# Altium PCB Copy of DIOT_temperature_logger.PcbDoc (part 5 of 7)
Units mm, origin at the board's own origin, x right, y up, seen from the top; angles counter-clockwise.
Board outline 301.1 x 109.1 mm, 4 copper layers (TOP, MID1, MID2, BOT), stack 1.564 mm thick; 651 components, 619 nets, 2526 pads, 1345 vias.
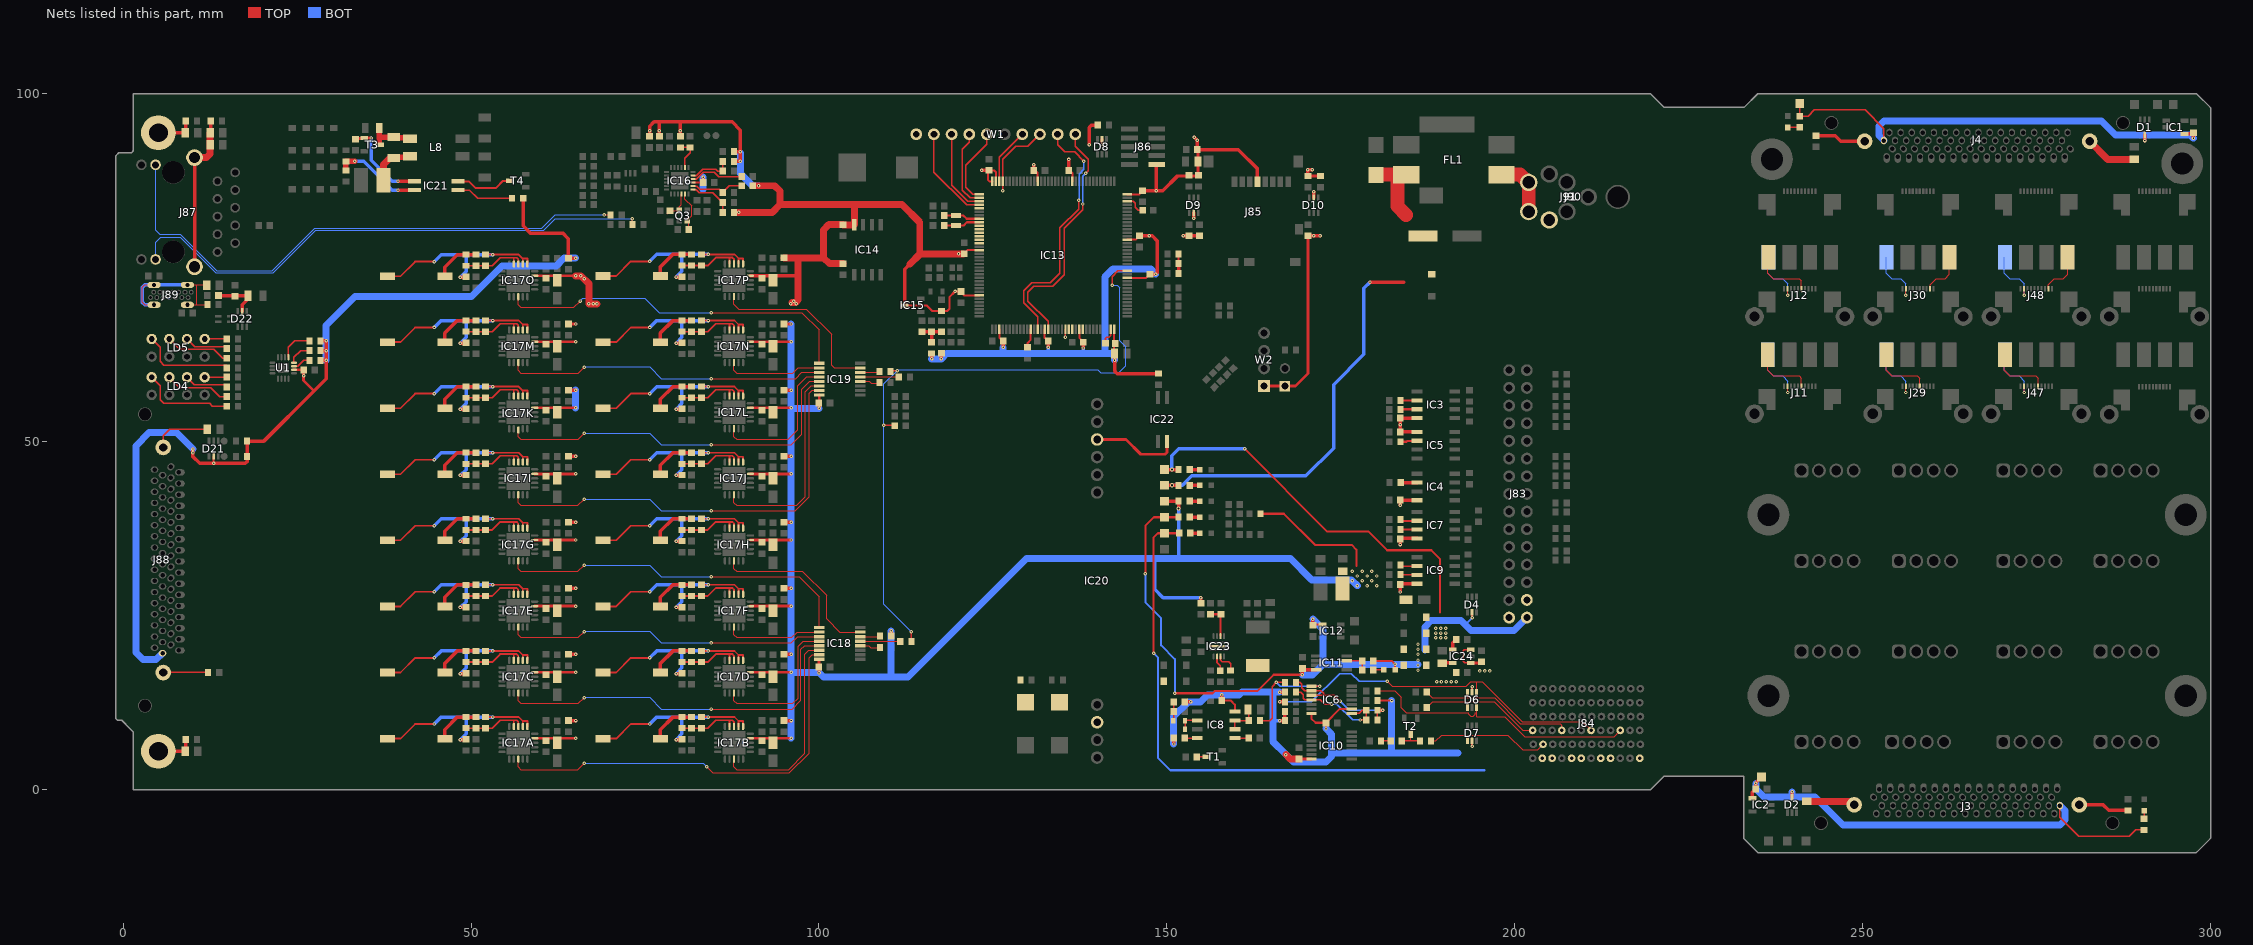
[diagram p7: the nets of this part, all layers, seen from the top]

## Via types
v1: diameter 0.5, hole 0.2, TOP to BOT, tented both sides, 1333 vias
v2: diameter 0.66, hole 0.33, TOP to BOT, tented both sides, 6 vias
v3: diameter 0.6, hole 0.3, TOP to BOT, tented both sides, 6 vias

## Nets (pads, with @x,y where several pads share a name; then routed paths per layer and width w, separated by ;. In a path a pad name is that pad's centre, name@x,y a point inside that pad or via, vN(x,y) a via of type N, cw(c..) or ccw(c..) an arc to the next point about the centre after c; other vN are vias at no path point) (continued)
MAX_CH_A3: IC13.86 R124.1 R125.1 R136.1 | length 94.1
  TOP w0.2: v1(109.35,52.35) 110.85,52.35 R136.1@110.9,52.3 ; R124.1@110.3,60.1 110.425,60.225 v1(111.275,60.225) ; v1(113.3,22.7) R125.1@113.3,21.3 R125.1@113.4,21.4 ; v1(142.175,72.475) 142.175,73.75 142.975,74.55 IC13.86@144.325,74.55
  BOT w0.152: v1(113.3,22.7) 109.35,26.65 v1(109.35,52.35) 109.35,58.3 v1(111.275,60.225) 111.4,60.35 140.1,60.35 140.525,59.925 143.125,59.925 144.125,60.925 144.125,63.661 143.25,64.536 143.25,72.15 142.925,72.475 v1(142.175,72.475)
MAX_CS00: IC17A.13 IC18.15 | length 60.5
  TOP w0.152: v1(83.875,3.275) 84.725,2.425 95.775,2.425 98.6,5.25 98.6,18.95 99.025,19.375 IC18.15@100.025,19.375
  TOP w0.171: IC17A.13@56.8,4.375 56.8,3.25 57.175,2.875 65.325,2.875 v1(66.25,3.8)
  BOT w0.171: v1(66.25,3.8) 83.35,3.8 v1(83.875,3.275)
MAX_CS01: IC17B.13 IC18.14 | length 29
  TOP w0.152: IC17B.13@87.8,4.375 87.8,3.25 88.175,2.875 95.65,2.875 97.975,5.2 97.975,19.475 98.525,20.025 IC18.14@100.025,20.025
MAX_CS02: IC17C.13 IC18.13 | length 53.6
  TOP w0.152: v1(84.538,11.575) 96.175,11.575 97.425,12.825 97.425,20.15 97.95,20.675 IC18.13@100.025,20.675
  TOP w0.171: IC17C.13@56.8,13.875 56.8,12.75 57.175,12.375 65.4,12.375 v1(66.25,13.225)
  BOT w0.171: v1(66.25,13.225) 66.275,13.25 75.675,13.25 77.35,11.575 v1(84.538,11.575)
MAX_CS03: IC17D.13 IC18.12 | length 21.5
  TOP w0.152: IC17D.13@87.8,13.875 87.8,12.75 88.175,12.375 96.25,12.375 97.025,13.15 97.025,20.575 97.775,21.325 IC18.12@99.975,21.325
MAX_CS04: IC17E.13 IC18.11 | length 45.9
  TOP w0.152: v1(84.538,21.075) 96.05,21.075 96.95,21.975 IC18.11@100.025,21.975
  TOP w0.171: IC17E.13@56.8,23.375 56.8,22.25 57.175,21.875 65.425,21.875 v1(66.25,22.7)
  BOT w0.171: v1(66.25,22.7) 66.3,22.75 75.675,22.75 77.35,21.075 v1(84.538,21.075)
MAX_CS05: IC17F.13 IC18.10 | length 13.8
  TOP w0.152: IC17F.13@87.8,23.375 87.8,22.25 88.175,21.875 96.125,21.875 96.875,22.625 IC18.10@100.025,22.625
MAX_CS06: IC17G.13 IC18.9 | length 51.2
  TOP w0.171: IC17G.13@56.8,32.875 56.8,31.75 57.175,31.375 65.375,31.375 v1(66.25,32.25) ; v1(84.538,30.575) 97.175,30.575 100.025,27.725 IC18.9@100.025,23.275
  BOT w0.171: v1(66.25,32.25) 75.675,32.25 77.35,30.575 v1(84.538,30.575)
MAX_CS07: IC17H.13 IC18.7 | length 25
  TOP w0.171: IC17H.13@87.8,32.875 87.8,31.75 88.175,31.375 97.625,31.375 101.1,27.9 101.1,24.525 103,22.625 IC18.7@105.925,22.625
MAX_CS08: IC17I.13 IC19.15 | length 61.7
  TOP w0.171: IC17I.13@56.8,42.375 56.8,41.25 57.175,40.875 65.375,40.875 v1(66.25,41.75) ; v1(84.538,40.075) 96.6,40.075 98.6,42.075 98.6,56.95 99.025,57.375 IC19.15@100.05,57.375 IC19.15@100.3,57.375
  BOT w0.171: v1(66.25,41.75) 75.675,41.75 77.35,40.075 v1(84.538,40.075)
MAX_CS09: IC17J.13 IC19.14 | length 29.7
  TOP w0.171: IC17J.13@87.8,42.375 87.8,41.25 88.175,40.875 96.8,40.875 98.05,42.125 98.05,57.2 98.875,58.025 IC19.14@100.05,58.025 IC19.14@100.3,58.025
MAX_CS10: IC17K.13 IC19.13 | length 53.4
  TOP w0.152: 97.575,51.1 97.575,57.575 98.675,58.675 IC19.13@100.05,58.675 IC19.13@100.3,58.675
  TOP w0.171: IC17K.13@56.8,51.875 56.8,50.75 57.175,50.375 65.4,50.375 v1(66.25,51.225) ; v1(84.538,49.575) 96.05,49.575 97.575,51.1
  BOT w0.171: v1(66.25,51.225) 66.275,51.25 75.675,51.25 77.35,49.575 v1(84.538,49.575)
MAX_CS11: IC17L.13 IC19.12 | length 21.2
  TOP w0.152: 96.95,51.75 96.95,58.05 98.225,59.325 IC19.12@100.05,59.325 IC19.12@100.3,59.325
  TOP w0.171: IC17L.13@87.8,51.875 87.8,50.75 88.175,50.375 95.575,50.375 96.95,51.75
MAX_CS12: IC17M.13 IC19.11 | length 46.2
  TOP w0.171: IC17M.13@56.8,61.375 56.8,60.25 57.175,59.875 65.425,59.875 v1(66.25,60.7) ; v1(84.538,59.075) 96.675,59.075 97.575,59.975 IC19.11@100.05,59.975 IC19.11@100.3,59.975
  BOT w0.171: v1(66.25,60.7) 66.25,60.725 66.275,60.75 75.675,60.75 77.35,59.075 v1(84.538,59.075)
MAX_CS13: IC17N.13 IC19.10 | length 14.1
  TOP w0.171: IC17N.13@87.8,61.375 87.8,60.25 88.175,59.875 96.275,59.875 97.025,60.625 IC19.10@100.05,60.625 IC19.10@100.3,60.625
MAX_CS14: IC17O.13 IC19.9 | length 51.7
  TOP w0.171: IC17O.13@56.8,70.85 56.8,69.725 57.175,69.35 64.8,69.35 v1(65.675,70.225) ; v1(84.538,68.55) 97.575,68.55 100.05,66.075 IC19.9@100.05,61.275
  BOT w0.171: v1(65.675,70.225) 66.05,70.6 74.975,70.6 77.025,68.55 v1(84.538,68.55)
MAX_CS15: IC17P.13 IC19.7 | length 25.6
  TOP w0.171: IC17P.13@87.8,70.875 87.8,69.75 88.475,69.075 98.175,69.075 101.825,65.425 101.825,61.025 102.225,60.625 IC19.7@105.95,60.625
NetC1_2: C1.2 J3.70 | length 7
  TOP w1: C1.2@242,-1.7 248.325,-1.7 J3.70@248.825,-2.2
NetC2_2: C2.2 J4.70 | length 7.5
  TOP w1: J4.70@282.675,93.2 285.275,90.6 C2.2@289.1,90.6
NetC8_2: C8.2 IC8.6 IC8.7 R35.2 | length 4.9
  TOP w0.2: IC8.6@159.8,8.665 IC8.7@159.8,9.935 159.835,9.9 R35.2@161.8,9.9 161.8,11.4 C8.2@161.7,11.5
NetC11_2: C11.2 IC8.5 | length 2
  TOP w0.2: IC8.5@159.8,7.395 161.795,7.395 C11.2@161.8,7.4
NetC12_2: C12.2 D5.1 R39.2 | length 2.7
  TOP w0.2: D5.1@150.95,9.9 151,9.95 C12.2@151,11.2 R39.2@151,12.6
NetC30_2: C30.2 IC13.71 | length 2.5
  TOP w0.254: C30.2@141.2,64.15 141.2,64.876 141.349,65.025 141.7,65.025 141.95,65.275 IC13.71@141.95,66.175
NetC31_2: C31.2 IC13.106 | length 3.1
  TOP w0.2: IC13.106@144.325,84.55 145.2,84.55 145.475,84.275 145.475,83.725 145.9,83.3 C31.2@146.55,83.3
NetC34_2: C34.2 C36.2 L2.2 R86.1 | length 4.2
  TOP w0.5: C36.2@114.9,65.8 C34.2@116.2,65.8 ; R86.1@116.2,64.3 C34.2@116.2,65.8 ; L2.2@117.6,65.8 C34.2@116.2,65.8
NetC50_1: C50.1 C60.1 J87.S1 J87.S2 R99.2 | length 22.9
  TOP w0.5: J87.S2@10.25,75.155 J87.S1@10.25,90.845 ; C50.1@12.5,94.4 12.6,94.5 R99.2@12.6,96.1
  TOP w1: J87.S1@10.25,90.845 11.958,90.845 12.5,91.387 C60.1@12.5,92.7 C50.1@12.5,94.4
NetC59_2: C59.2 IC16.4 Q3.1 | length 4.5
  TOP w0.152: C59.2@78.2,82.8 C59.2@78.6,83.2 ; C59.2@78.6,83.15 78.65,83.2 Q3.1@79.95,83.2 79.95,83.75 80.25,84.05 IC16.4@80.25,85.6
NetC61_2: C61.2 IC16.5 Q3.3 | length 5.9
  TOP w0.152: IC16.5@80.75,85.6 80.75,84.875 81.7,83.925 81.7,82.45 Q3.3@81.05,81.8 81.3,81.55 C61.2@81.3,80.5
NetC67_1: C67.1 R120.2 ST1.1 | length 5.6
  TOP w0.5: ST1.1@5.056,94.412 8.888,94.412 9,94.524 R120.2@9,96.1
NetC68_1: C68.1 R121.2 ST1.0 | length 5.6
  TOP w0.5: ST1.0@5.056,5.512 5.062,5.506 8.894,5.506 C68.1@8.9,5.5 9,5.5 R121.2@9,7.2
NetC69_2: C69.2 J88.70 | length 8.4
  TOP w0.254: J88.70@5.75,49.175 5.75,50.85 6.7,51.8 C69.2@12.1,51.8
NetC72_2: C72.2 J89.SHIELD R140.1 | length 24.9
  TOP w0.127: J89.SHIELD@9.23,69.68 10.535,69.68 12.08,69.68 R140.1@12.1,69.7
  TOP w0.152: J89.SHIELD@4.43,69.68 3.095,69.68 2.75,70.025 2.75,72.175 3.115,72.54 J89.SHIELD@4.43,72.54 ; J89.SHIELD@9.23,72.54 10.54,72.54 ; 10.535,69.68 10.54,69.686 10.54,72.54 ; C72.2@12,72.5 11.96,72.54 10.54,72.54
  BOT w0.508: J89.SHIELD@4.43,69.68 3.095,69.68 2.767,70.008 2.767,72.192 3.115,72.54 J89.SHIELD@4.43,72.54 J89.SHIELD@9.23,72.54
NetC73_2: C73.2 D22.5 F1.2 L5.1 | length 6.7
  TOP w0.5: L5.1@13.7,71 F1.2@17.8,71 ; D22.5@17.1,68.75 17.1,69.675 17.925,70.5 F1.2@17.925,71
NetC74_1: C74.1 L8.1 R147.2 T3.3 | length 6.9
  TOP w0.8: R147.2@36.8,95.1 36.8,93.8 ; T3.3@36.825,92.8 36.825,92.825 36.8,92.85 36.8,93.8 ; L8.1@41.25,93.57 41.135,93.685 39.015,93.685 C74.1@38.9,93.8 36.8,93.8
NetC74_2: C74.2 L7.2 L8.2 | length 6.2
  TOP w0.8: C74.2@39.015,90.915 41.135,90.915 L8.2@41.25,91.03
  TOP w1: L7.2@37.4,87.6 L7.2@37.732,87.932 ; L7.2@37.425,88.3 37.425,89.849 38.377,90.8 C74.2@38.9,90.8
NetC79_2: C79.2 IC23.9 | length 2.2
  TOP w0.254: IC23.9@157.25,19.15 157.25,18.25 157.7,17.8 C79.2@157.7,17.1
NetC93_2: C93.2 IC24.4 | length 1.7
  TOP w0.5: IC24.4@191.125,20.1 191.125,21.125 C93.2@191.6,21.6
NetD3_2: D3.2 D5.2 IC8.2 | length 3.1
  TOP w0.2: D3.2@152.65,8.7 152.65,10 152.715,9.935 IC8.2@154.4,9.935
NetD6_1: D6.1 J84.L3 R53.1 | length 18.1
  TOP w0.152: R53.1@187.4,11.8 188.225,12.625 193.25,12.625 ; D6.1@193.25,11.8 193.25,12.625 ; J84.L3@202.6,8.5 201.2,8.5 197.075,12.625 193.25,12.625
NetD6_3: D6.3 J84.C3 R47.1 | length 40.6
  TOP w0.152: R47.1@180.3,14.2 182.812,14.2 183.725,13.287 183.725,11.75 184.45,11.025 193.447,11.025 193.447,10.812 193.712,10.547 194.088,10.547 194.353,10.812 194.353,11.025 194.55,11.025 ; D6.3@194.55,11.8 194.55,11.025 ; J84.C3@215.2,8.5 214.325,7.625 201.45,7.625 198.575,10.5 194.55,10.5 194.55,11.025
NetD6_4: D6.4 J84.F3 R48.1 | length 52.7
  TOP w0.152: v1(181.7,15.55) 182.425,14.825 193.025,14.825 193.725,15.525 194.55,15.525 ; D6.4@194.55,14 194.55,15.525 ; J84.F3@211,8.5 209.753,9.747 201.128,9.747 195.35,15.525 194.55,15.525
  TOP w0.5: v1(166.225,12.6) R48.1@167,12.6
  BOT w0.2: v1(166.225,12.6) 170.8,12.6 174.875,16.675 176.55,16.675 177.675,15.55 v1(181.7,15.55)
NetD6_6: D6.6 J84.I3 R49.1 | length 22.9
  TOP w0.152: R49.1@187.4,14 188.2,13.2 193.25,13.2 ; D6.6@193.25,14 193.25,13.2 ; J84.I3@206.8,8.5 206.8,9.225 206.558,9.467 200.858,9.467 197.125,13.2 193.25,13.2
NetD7_4: D7.4 J84.K2 R52.1 | length 18.5
  TOP w0.152: R52.1@188,7 188.675,7 189.504,7.829 193.25,7.829 ; D7.4@193.25,7 193.25,7.829 ; J84.K2@204.1,6.5 203.323,5.723 201.152,5.723 199.046,7.829 193.25,7.829
NetIC3_6: IC3.6 R13.2 | length 2.4
  TOP w0.3: R13.2@183.635,55.935 IC3.6@186,55.935
NetIC3_7: IC3.7 R9.2 | length 2
  TOP w0.3: R9.2@183.95,54.665 IC3.7@186,54.665
NetIC4_6: IC4.6 R22.2 | length 2.4
  TOP w0.2: R22.2@183.635,44.135 R22.2@183.67,44.17
  TOP w0.5: R22.2@183.635,44.135 IC4.6@186,44.135
NetIC5_2: IC5.2 R27.2 | length 2.5
  TOP w0.3: R27.2@183.6,50 184.465,50 184.6,50.135 IC5.2@186,50.135
NetIC6_1: IC6.1 IC6.11 R28.1 R37.1 R38.1 | length 15.7
  TOP w0.2: R28.1@168.6,14 169.25,14 169.625,13.625 169.625,13.125 169.85,12.9 IC6.11@170.8,12.9 172.075,12.9 172.7,12.275 v1(173.75,12.275) ; IC6.1@176.6,10.95 177.65,10.95 178.1,11.4 R37.1@178.7,11.4 R38.1@178.7,10 v1(177.85,10)
  BOT w0.2: v1(173.75,12.275) 174.45,12.275 176.725,10 v1(177.85,10)
NetIC6_8: IC6.8 R35.1 R43.1 | length 16.1
  TOP w0.2: R35.1@163.4,9.9 164.8,9.9 165.175,10.275 165.175,14.802 v1(165.773,15.4) R43.1@167,15.4 ; IC6.8@170.8,14.85 v1(171.975,14.85)
  BOT w0.2: v1(165.773,15.4) 166.323,14.85 v1(171.975,14.85)
NetIC6_9: IC6.9 IC6.10 R37.2 R38.2 R43.2 | length 18.4
  TOP w0.2: R43.2@168.6,15.4 169.125,15.4 169.4,15.125 169.4,14.65 169.85,14.2 IC6.9@170.8,14.2 172.175,14.2 172.55,13.825 172.55,13.55 ; IC6.10@170.8,13.55 172.55,13.55 ; v1(174.925,12.725) 174.1,13.55 172.55,13.55 ; R38.2@180.3,10 R37.2@180.3,11.4
  TOP w0.5: R37.2@180.3,11.4 v1(181.05,11.4)
  BOT w0.2: v1(174.925,12.725) 176.25,11.4 v1(181.05,11.4)
NetIC7_6: IC7.6 R36.2 | length 2.4
  TOP w0.3: R36.2@183.6,38.6 183.635,38.635 IC7.6@186,38.635
NetIC7_7: IC7.7 R31.2 | length 2.4
  TOP w0.3: R31.2@183.6,37.4 183.635,37.365 IC7.7@186,37.365
NetIC8_4: IC8.4 R32.2 | length 1.8
  TOP w0.2: R32.2@152.6,7.4 154.395,7.4 IC8.4@154.4,7.395
NetIC9_6: IC9.6 R45.2 | length 2.4
  TOP w0.2: R45.2@183.6,31.9 R45.2@183.635,31.935 ; R45.2@183.635,32.135 IC9.6@186,32.135
NetIC9_7: IC9.7 R42.2 | length 2.4
  TOP w0.2: R42.2@183.6,30.9 183.635,30.865 IC9.7@186,30.865
NetIC11_3: IC11.3 R54.1 R55.1 | length 3.1
  TOP w0.2: IC11.3@175.925,18.5 R54.1@177.7,18.5 ; R55.1@178.1,17.2 R54.1@178.1,18.5
NetIC13_48: IC13.48 R64.1 | length 2.8
  TOP w0.3: R64.1@130,63.6 130,64.2 130.45,64.65 IC13.48@130.45,66.175
NetIC16_7: IC16.7 R93.1 R100.2 | length 6.5
  TOP w0.2: IC16.7@81.9,86.25 82.35,86.25 82.825,85.775 84.775,85.775 86.175,84.375 R100.2@86.2,84.4 R93.1@86.2,82.975
NetIC16_8: IC16.8 R94.1 R98.2 | length 7.9
  TOP w0.2: IC16.8@81.9,86.75 82.425,86.75 82.875,86.3 85.7,86.3 R98.2@86.2,85.8 86.2,85.85 87.15,86.8 R94.1@89,86.8
NetIC16_10: IC16.10 R102.2 | length 7.7
  TOP w0.2: IC16.10@81.9,87.75 82.375,87.75 83.35,88.725 84.95,88.725 85.6,88.075 88.875,88.075 R102.2@88.9,88.1
NetIC16_11: IC16.11 R92.1 R105.2 | length 6
  TOP w0.2: IC16.11@81.9,88.25 82.35,88.25 83.275,89.175 85.174,89.175 85.449,88.9 R105.2@86.2,88.9 R92.1@86.2,90.1
NetIC16_14: IC16.14 R108.2 R109.2 | length 4.6
  TOP w0.2: R108.2@80.1,92.3 R109.2@81.5,92.3 81.5,91.525 80.75,90.775 IC16.14@80.75,89.4
NetIC17A_1: IC17A.1 IC17A.2 R118A.1 R119A.1 SW1A.1 | length 28.8
  TOP w0.254: SW1A.1@37.975,7.325 39.861,7.325 41.961,9.425 v1(44.7,9.425) ; R118A.1@51.958,10.425 R118A.1@52.1,10.425 v1(53.125,10.425) 56.875,10.425 57.45,9.85 ; IC17A.2@57.45,9.075 57.45,9.85 ; IC17A.1@58.1,9.075 58.1,9.85 57.45,9.85
  TOP w0.5: v1(48.475,7.175) R119A.1@49.3,7.175
  BOT w0.5: v1(44.7,9.425) 45.7,10.425 49.3,10.425 ; v1(48.475,7.175) 49.3,8 49.3,10.425 ; v1(53.125,10.425) 49.3,10.425
NetIC17A_3: IC17A.3 IC17A.4 R116A.2 R117A.2 R118A.2 | length 9.6
  TOP w0.254: R117A.2@49.3,8.825 R118A.2@52.1,8.825 53.025,8.825 54.175,9.975 56.15,9.975 ; IC17A.4@56.15,9.075 56.15,9.975 ; IC17A.3@56.8,9.075 56.8,9.75 56.575,9.975 56.15,9.975
NetIC17B_1: IC17B.1 IC17B.2 R118B.1 R119B.1 SW1B.1 | length 28.8
  TOP w0.254: SW1B.1@68.975,7.325 70.861,7.325 72.961,9.425 v1(75.7,9.425) ; R118B.1@82.958,10.425 R118B.1@83.1,10.425 v1(84.125,10.425) 87.875,10.425 88.45,9.85 ; IC17B.2@88.45,9.075 88.45,9.85 ; IC17B.1@89.1,9.075 89.1,9.85 88.45,9.85
  TOP w0.5: v1(79.475,7.175) R119B.1@80.3,7.175
  BOT w0.5: v1(75.7,9.425) 76.7,10.425 80.3,10.425 ; v1(79.475,7.175) 80.3,8 80.3,10.425 ; v1(84.125,10.425) 80.3,10.425
NetIC17B_3: IC17B.3 IC17B.4 R116B.2 R117B.2 R118B.2 | length 9.6
  TOP w0.254: R117B.2@80.3,8.825 R118B.2@83.1,8.825 84.025,8.825 85.175,9.975 87.15,9.975 ; IC17B.4@87.15,9.075 87.15,9.975 ; IC17B.3@87.8,9.075 87.8,9.75 87.575,9.975 87.15,9.975
NetIC17C_1: IC17C.1 IC17C.2 R118C.1 R119C.1 SW1C.1 | length 28.8
  TOP w0.254: SW1C.1@37.975,16.825 39.861,16.825 41.961,18.925 v1(44.7,18.925) ; R118C.1@51.958,19.925 R118C.1@52.1,19.925 v1(53.125,19.925) 56.875,19.925 57.45,19.35 ; IC17C.2@57.45,18.575 57.45,19.35 ; IC17C.1@58.1,18.575 58.1,19.35 57.45,19.35
  TOP w0.5: v1(48.475,16.675) R119C.1@49.3,16.675
  BOT w0.5: v1(44.7,18.925) 45.7,19.925 49.3,19.925 ; v1(48.475,16.675) 49.3,17.5 49.3,19.925 ; v1(53.125,19.925) 49.3,19.925
NetIC17C_3: IC17C.3 IC17C.4 R116C.2 R117C.2 R118C.2 | length 9.6
  TOP w0.254: R117C.2@49.3,18.325 R118C.2@52.1,18.325 53.025,18.325 54.175,19.475 56.15,19.475 ; IC17C.4@56.15,18.575 56.15,19.475 ; IC17C.3@56.8,18.575 56.8,19.25 56.575,19.475 56.15,19.475
NetIC17D_1: IC17D.1 IC17D.2 R118D.1 R119D.1 SW1D.1 | length 28.8
  TOP w0.254: SW1D.1@68.975,16.825 70.861,16.825 72.961,18.925 v1(75.7,18.925) ; R118D.1@82.958,19.925 R118D.1@83.1,19.925 v1(84.125,19.925) 87.875,19.925 88.45,19.35 ; IC17D.2@88.45,18.575 88.45,19.35 ; IC17D.1@89.1,18.575 89.1,19.35 88.45,19.35
  TOP w0.5: v1(79.475,16.675) R119D.1@80.3,16.675
  BOT w0.5: v1(75.7,18.925) 76.7,19.925 80.3,19.925 ; v1(79.475,16.675) 80.3,17.5 80.3,19.925 ; v1(84.125,19.925) 80.3,19.925
NetIC17D_3: IC17D.3 IC17D.4 R116D.2 R117D.2 R118D.2 | length 9.6
  TOP w0.254: R117D.2@80.3,18.325 R118D.2@83.1,18.325 84.025,18.325 85.175,19.475 87.15,19.475 ; IC17D.4@87.15,18.575 87.15,19.475 ; IC17D.3@87.8,18.575 87.8,19.25 87.575,19.475 87.15,19.475
NetIC17E_1: IC17E.1 IC17E.2 R118E.1 R119E.1 SW1E.1 | length 28.8
  TOP w0.254: SW1E.1@37.975,26.325 39.861,26.325 41.961,28.425 v1(44.7,28.425) ; R118E.1@51.958,29.425 R118E.1@52.1,29.425 v1(53.125,29.425) 56.875,29.425 57.45,28.85 ; IC17E.2@57.45,28.075 57.45,28.85 ; IC17E.1@58.1,28.075 58.1,28.85 57.45,28.85
  TOP w0.5: v1(48.475,26.175) R119E.1@49.3,26.175
  BOT w0.5: v1(44.7,28.425) 45.7,29.425 49.3,29.425 ; v1(48.475,26.175) 49.3,27 49.3,29.425 ; v1(53.125,29.425) 49.3,29.425
NetIC17E_3: IC17E.3 IC17E.4 R116E.2 R117E.2 R118E.2 | length 9.6
  TOP w0.254: R117E.2@49.3,27.825 R118E.2@52.1,27.825 53.025,27.825 54.175,28.975 56.15,28.975 ; IC17E.4@56.15,28.075 56.15,28.975 ; IC17E.3@56.8,28.075 56.8,28.75 56.575,28.975 56.15,28.975
NetIC17F_1: IC17F.1 IC17F.2 R118F.1 R119F.1 SW1F.1 | length 28.8
  TOP w0.254: SW1F.1@68.975,26.325 70.861,26.325 72.961,28.425 v1(75.7,28.425) ; R118F.1@82.958,29.425 R118F.1@83.1,29.425 v1(84.125,29.425) 87.875,29.425 88.45,28.85 ; IC17F.2@88.45,28.075 88.45,28.85 ; IC17F.1@89.1,28.075 89.1,28.85 88.45,28.85
  TOP w0.5: v1(79.475,26.175) R119F.1@80.3,26.175
  BOT w0.5: v1(75.7,28.425) 76.7,29.425 80.3,29.425 ; v1(79.475,26.175) 80.3,27 80.3,29.425 ; v1(84.125,29.425) 80.3,29.425
NetIC17F_3: IC17F.3 IC17F.4 R116F.2 R117F.2 R118F.2 | length 9.6
  TOP w0.254: R117F.2@80.3,27.825 R118F.2@83.1,27.825 84.025,27.825 85.175,28.975 87.15,28.975 ; IC17F.4@87.15,28.075 87.15,28.975 ; IC17F.3@87.8,28.075 87.8,28.75 87.575,28.975 87.15,28.975
NetIC17G_1: IC17G.1 IC17G.2 R118G.1 R119G.1 SW1G.1 | length 28.8
  TOP w0.254: SW1G.1@37.975,35.825 39.861,35.825 41.961,37.925 v1(44.7,37.925) ; R118G.1@51.958,38.925 R118G.1@52.1,38.925 v1(53.125,38.925) 56.875,38.925 57.45,38.35 ; IC17G.2@57.45,37.575 57.45,38.35 ; IC17G.1@58.1,37.575 58.1,38.35 57.45,38.35
  TOP w0.5: v1(48.475,35.675) R119G.1@49.3,35.675
  BOT w0.5: v1(44.7,37.925) 45.7,38.925 49.3,38.925 ; v1(48.475,35.675) 49.3,36.5 49.3,38.925 ; v1(53.125,38.925) 49.3,38.925
NetIC17G_3: IC17G.3 IC17G.4 R116G.2 R117G.2 R118G.2 | length 9.6
  TOP w0.254: R117G.2@49.3,37.325 R118G.2@52.1,37.325 53.025,37.325 54.175,38.475 56.15,38.475 ; IC17G.4@56.15,37.575 56.15,38.475 ; IC17G.3@56.8,37.575 56.8,38.25 56.575,38.475 56.15,38.475
NetIC17H_1: IC17H.1 IC17H.2 R118H.1 R119H.1 SW1H.1 | length 28.8
  TOP w0.254: SW1H.1@68.975,35.825 70.861,35.825 72.961,37.925 v1(75.7,37.925) ; R118H.1@82.958,38.925 R118H.1@83.1,38.925 v1(84.125,38.925) 87.875,38.925 88.45,38.35 ; IC17H.2@88.45,37.575 88.45,38.35 ; IC17H.1@89.1,37.575 89.1,38.35 88.45,38.35
  TOP w0.5: v1(79.475,35.675) R119H.1@80.3,35.675
  BOT w0.5: v1(75.7,37.925) 76.7,38.925 80.3,38.925 ; v1(79.475,35.675) 80.3,36.5 80.3,38.925 ; v1(84.125,38.925) 80.3,38.925
NetIC17H_3: IC17H.3 IC17H.4 R116H.2 R117H.2 R118H.2 | length 9.6
  TOP w0.254: R117H.2@80.3,37.325 R118H.2@83.1,37.325 84.025,37.325 85.175,38.475 87.15,38.475 ; IC17H.4@87.15,37.575 87.15,38.475 ; IC17H.3@87.8,37.575 87.8,38.25 87.575,38.475 87.15,38.475
NetIC17I_1: IC17I.1 IC17I.2 R118I.1 R119I.1 SW1I.1 | length 28.8
  TOP w0.254: SW1I.1@37.975,45.325 39.861,45.325 41.961,47.425 v1(44.7,47.425) ; R118I.1@51.958,48.425 R118I.1@52.1,48.425 v1(53.125,48.425) 56.875,48.425 57.45,47.85 ; IC17I.2@57.45,47.075 57.45,47.85 ; IC17I.1@58.1,47.075 58.1,47.85 57.45,47.85
  TOP w0.5: v1(48.475,45.175) R119I.1@49.3,45.175
  BOT w0.5: v1(44.7,47.425) 45.7,48.425 49.3,48.425 ; v1(48.475,45.175) 49.3,46 49.3,48.425 ; v1(53.125,48.425) 49.3,48.425
NetIC17I_3: IC17I.3 IC17I.4 R116I.2 R117I.2 R118I.2 | length 9.6
  TOP w0.254: R117I.2@49.3,46.825 R118I.2@52.1,46.825 53.025,46.825 54.175,47.975 56.15,47.975 ; IC17I.4@56.15,47.075 56.15,47.975 ; IC17I.3@56.8,47.075 56.8,47.75 56.575,47.975 56.15,47.975
NetIC17J_1: IC17J.1 IC17J.2 R118J.1 R119J.1 SW1J.1 | length 28.8
  TOP w0.254: SW1J.1@68.975,45.325 70.861,45.325 72.961,47.425 v1(75.7,47.425) ; R118J.1@82.958,48.425 R118J.1@83.1,48.425 v1(84.125,48.425) 87.875,48.425 88.45,47.85 ; IC17J.2@88.45,47.075 88.45,47.85 ; IC17J.1@89.1,47.075 89.1,47.85 88.45,47.85
  TOP w0.5: v1(79.475,45.175) R119J.1@80.3,45.175
  BOT w0.5: v1(75.7,47.425) 76.7,48.425 80.3,48.425 ; v1(79.475,45.175) 80.3,46 80.3,48.425 ; v1(84.125,48.425) 80.3,48.425
NetIC17J_3: IC17J.3 IC17J.4 R116J.2 R117J.2 R118J.2 | length 9.6
  TOP w0.254: R117J.2@80.3,46.825 R118J.2@83.1,46.825 84.025,46.825 85.175,47.975 87.15,47.975 ; IC17J.4@87.15,47.075 87.15,47.975 ; IC17J.3@87.8,47.075 87.8,47.75 87.575,47.975 87.15,47.975
NetIC17K_1: IC17K.1 IC17K.2 R118K.1 R119K.1 SW1K.1 | length 28.8
  TOP w0.254: SW1K.1@37.975,54.825 39.861,54.825 41.961,56.925 v1(44.7,56.925) ; R118K.1@51.958,57.925 R118K.1@52.1,57.925 v1(53.125,57.925) 56.875,57.925 57.45,57.35 ; IC17K.2@57.45,56.575 57.45,57.35 ; IC17K.1@58.1,56.575 58.1,57.35 57.45,57.35
  TOP w0.5: v1(48.475,54.675) R119K.1@49.3,54.675
  BOT w0.5: v1(44.7,56.925) 45.7,57.925 49.3,57.925 ; v1(48.475,54.675) 49.3,55.5 49.3,57.925 ; v1(53.125,57.925) 49.3,57.925
NetIC17K_3: IC17K.3 IC17K.4 R116K.2 R117K.2 R118K.2 | length 9.6
  TOP w0.254: R117K.2@49.3,56.325 R118K.2@52.1,56.325 53.025,56.325 54.175,57.475 56.15,57.475 ; IC17K.4@56.15,56.575 56.15,57.475 ; IC17K.3@56.8,56.575 56.8,57.25 56.575,57.475 56.15,57.475
NetIC17L_1: IC17L.1 IC17L.2 R118L.1 R119L.1 SW1L.1 | length 28.8
  TOP w0.254: SW1L.1@68.975,54.825 70.861,54.825 72.961,56.925 v1(75.7,56.925) ; R118L.1@82.958,57.925 R118L.1@83.1,57.925 v1(84.125,57.925) 87.875,57.925 88.45,57.35 ; IC17L.2@88.45,56.575 88.45,57.35 ; IC17L.1@89.1,56.575 89.1,57.35 88.45,57.35
  TOP w0.5: v1(79.475,54.675) R119L.1@80.3,54.675
  BOT w0.5: v1(75.7,56.925) 76.7,57.925 80.3,57.925 ; v1(79.475,54.675) 80.3,55.5 80.3,57.925 ; v1(84.125,57.925) 80.3,57.925
NetIC17L_3: IC17L.3 IC17L.4 R116L.2 R117L.2 R118L.2 | length 9.6
  TOP w0.254: R117L.2@80.3,56.325 R118L.2@83.1,56.325 84.025,56.325 85.175,57.475 87.15,57.475 ; IC17L.4@87.15,56.575 87.15,57.475 ; IC17L.3@87.8,56.575 87.8,57.25 87.575,57.475 87.15,57.475
NetIC17M_1: IC17M.1 IC17M.2 R118M.1 R119M.1 SW1M.1 | length 28.8
  TOP w0.254: SW1M.1@37.975,64.325 39.861,64.325 41.961,66.425 v1(44.7,66.425) ; R118M.1@51.958,67.425 R118M.1@52.1,67.425 v1(53.125,67.425) 56.875,67.425 57.45,66.85 ; IC17M.2@57.45,66.075 57.45,66.85 ; IC17M.1@58.1,66.075 58.1,66.85 57.45,66.85
  TOP w0.5: v1(48.475,64.175) R119M.1@49.3,64.175
  BOT w0.5: v1(44.7,66.425) 45.7,67.425 49.3,67.425 ; v1(48.475,64.175) 49.3,65 49.3,67.425 ; v1(53.125,67.425) 49.3,67.425
NetIC17M_3: IC17M.3 IC17M.4 R116M.2 R117M.2 R118M.2 | length 9.6
  TOP w0.254: R117M.2@49.3,65.825 R118M.2@52.1,65.825 53.025,65.825 54.175,66.975 56.15,66.975 ; IC17M.4@56.15,66.075 56.15,66.975 ; IC17M.3@56.8,66.075 56.8,66.75 56.575,66.975 56.15,66.975
NetIC17N_1: IC17N.1 IC17N.2 R118N.1 R119N.1 SW1N.1 | length 28.8
  TOP w0.254: SW1N.1@68.975,64.325 70.861,64.325 72.961,66.425 v1(75.7,66.425) ; R118N.1@82.958,67.425 R118N.1@83.1,67.425 v1(84.125,67.425) 87.875,67.425 88.45,66.85 ; IC17N.2@88.45,66.075 88.45,66.85 ; IC17N.1@89.1,66.075 89.1,66.85 88.45,66.85
  TOP w0.5: v1(79.475,64.175) R119N.1@80.3,64.175